# Altium PCB 全兼容主控.PCBDOC (part 1 of 9)
Units mil, origin at the board's own origin, x right, y up, seen from the top; angles counter-clockwise.
Board outline 7562.36 x 15046.55 mil, 2 copper layers (TopLayer, BottomLayer); 375 components, 257 nets, 1094 pads, 839 vias.
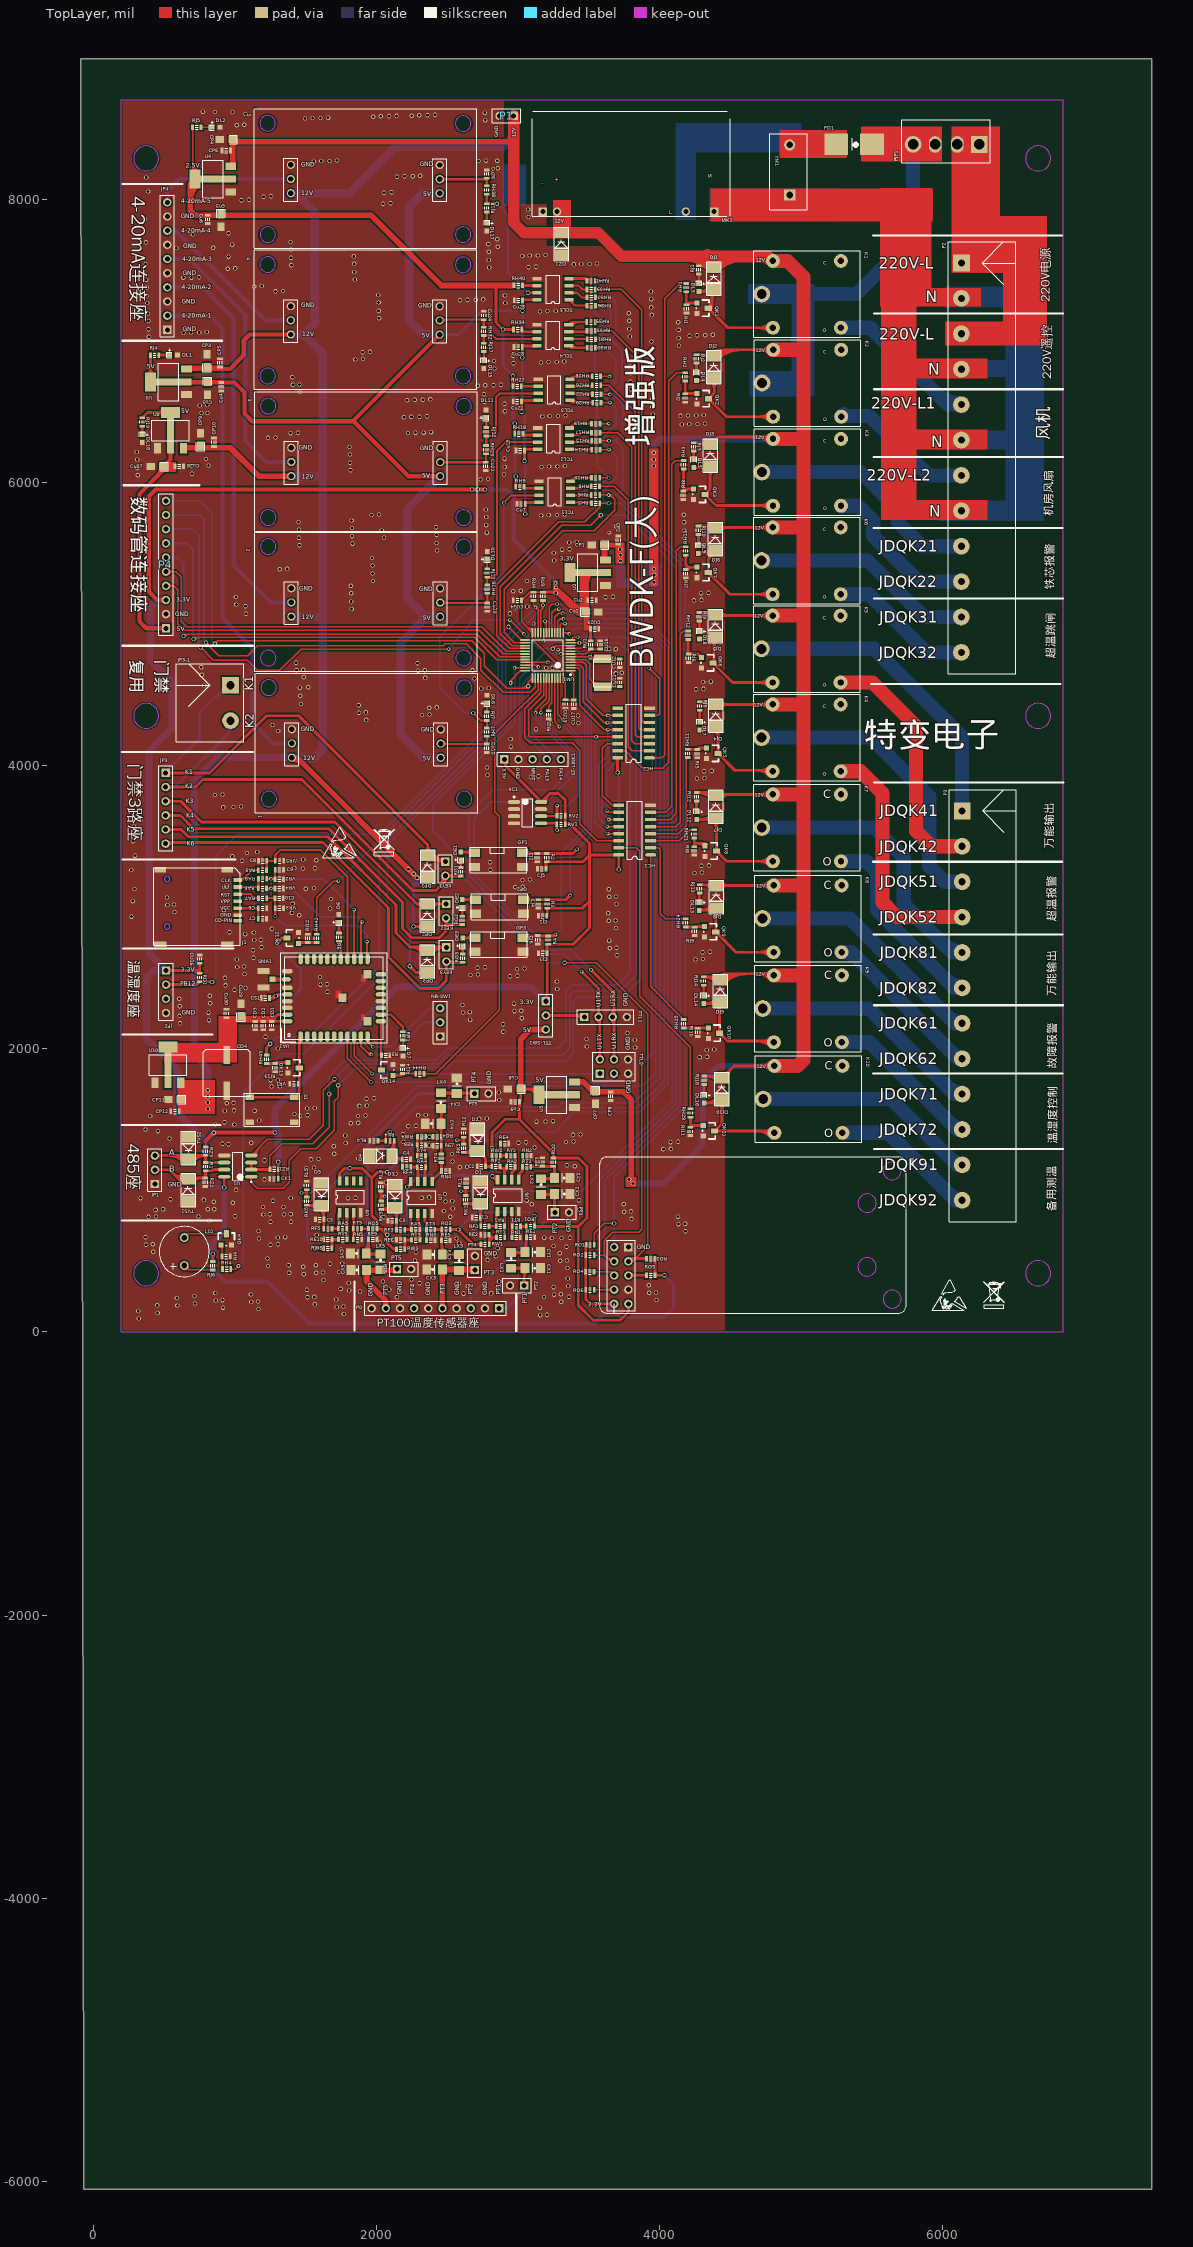
[diagram p0: TopLayer view]
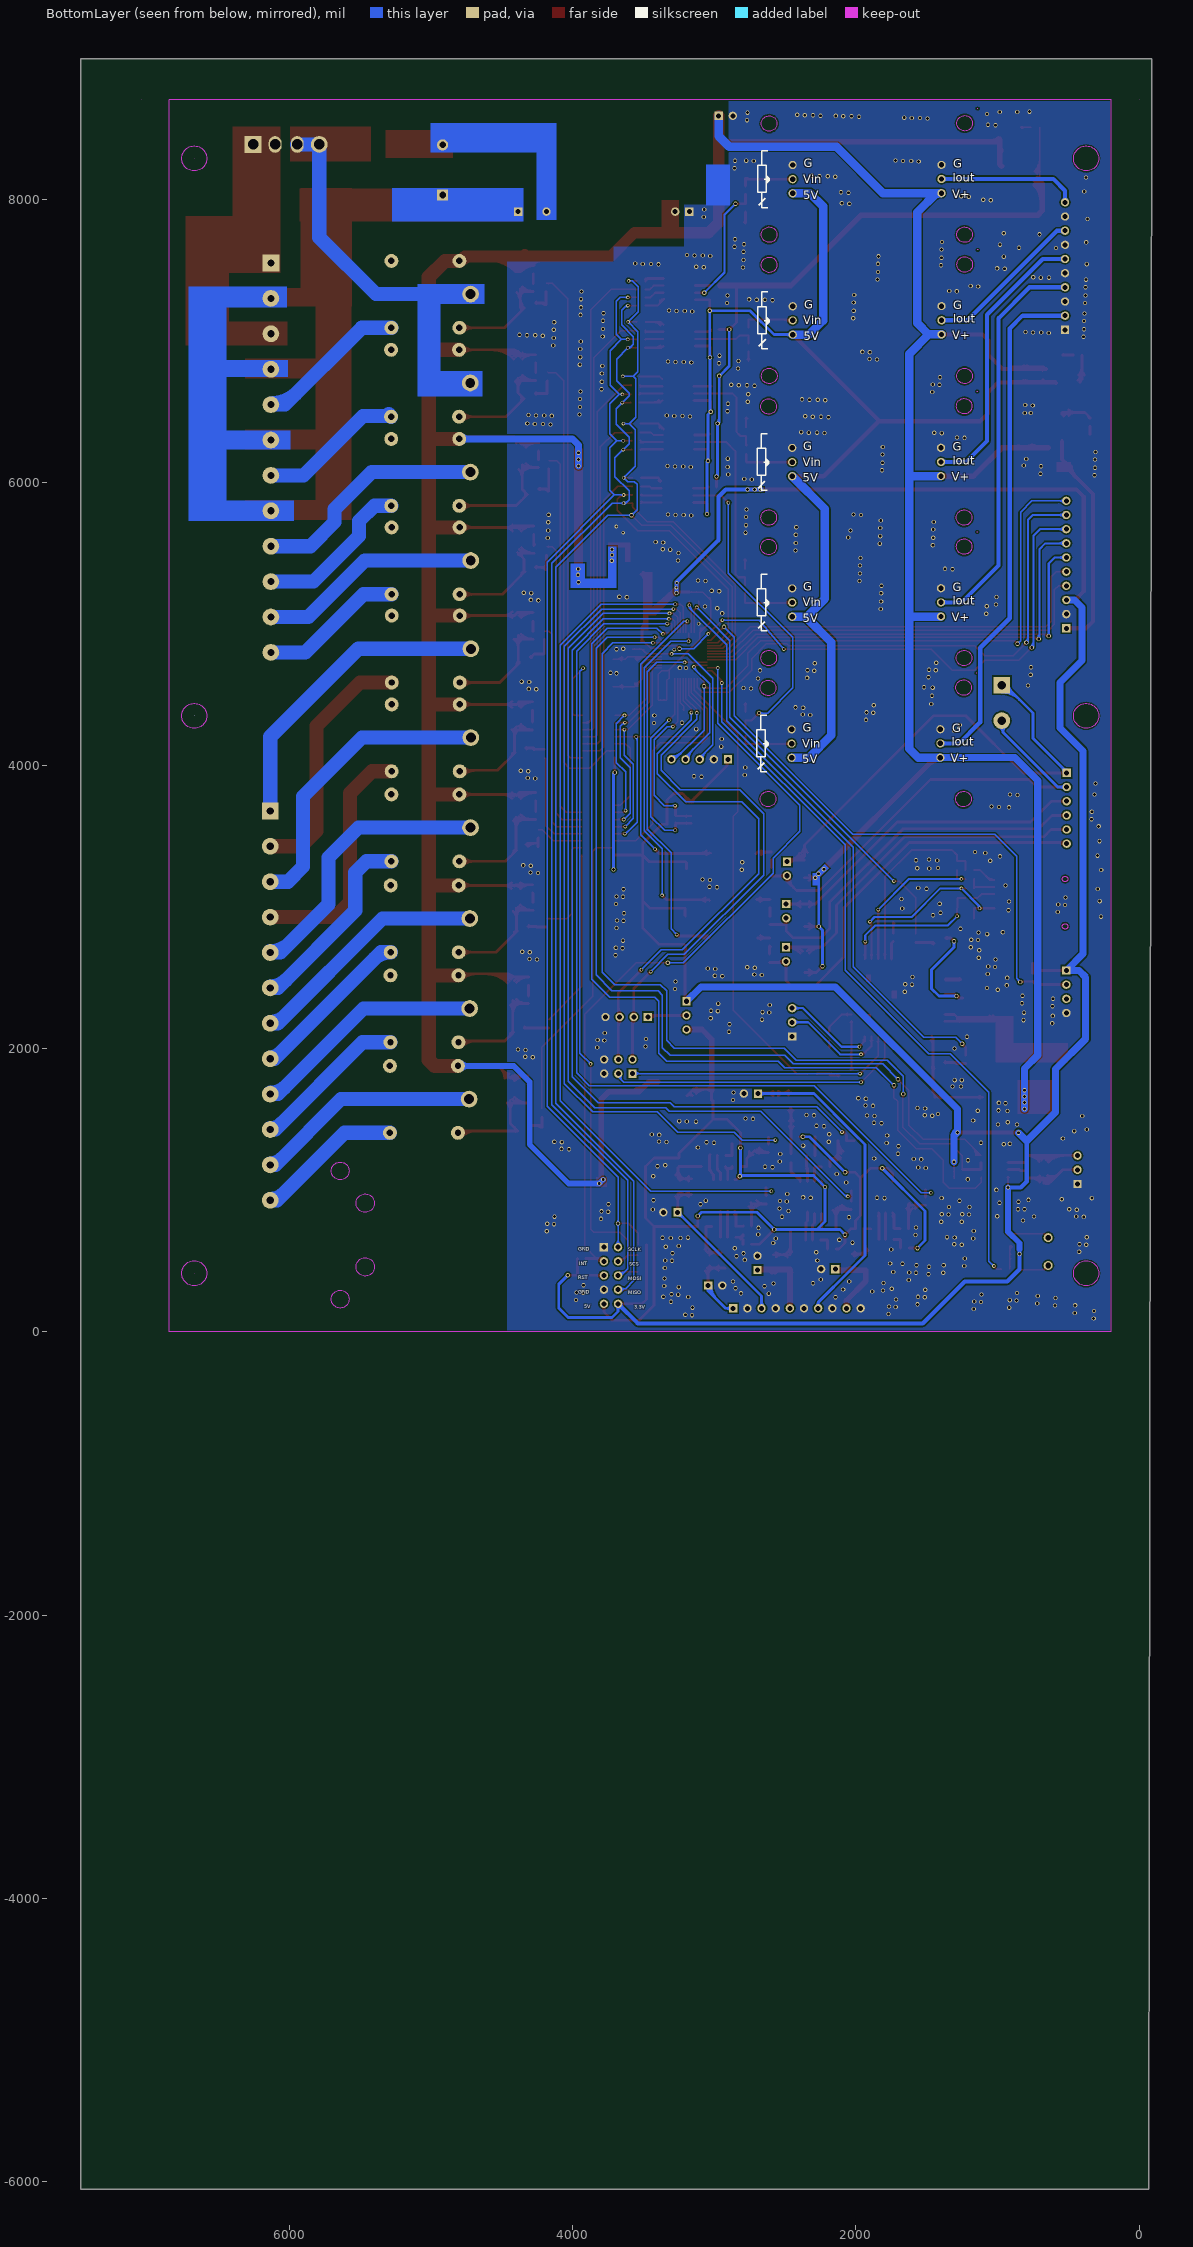
[diagram p1: BottomLayer view, seen from below]

## Layer stack, top to bottom
TopSolder: solder mask 0.4, Solder Resist, Dk 3.5
TopLayer: signal copper 1.4
Dielectric1: core 12.6, FR-4, Dk 4.8
BottomLayer: signal copper 1.4
BottomSolder: solder mask 0.4, Solder Resist, Dk 3.5

## Board outline
-87.78,8991.24 7474.58,8991.24 7474.58,-6055.31 -68.23,-6055.31

## Design rules (kind name [scope] priority, off if disabled: settings)
Clearance [All] p1: gap=6 ignorepadtopadclearanceinfootprint=FALSE except(0: Arc-Hole Track-Hole SMDPad-Hole THPad-Hole Via-Hole Fill-Hole Poly-Hole Region-Hole Text-Hole)
ComponentClearance [All] p1 off: gap=10 collisioncheckmode=3 verticalgap=10 showdistances=FALSE
FabricationTestPointUsage TestPointUsage [All] p1: valid=0 allowmultiple=FALSE
FabricationTestpoint Testpoint [(IsPad And (OnTopLayer Or OnBottomLayer))] p1: side=3 testpointundercomponent=TRUE minsize=40 maxsize=100 preferedsize=60 minholesize=20 maxholesize=40 preferedholesize=32 testpointgrid=1 allowsidetop=TRUE allowsidebottom=TRUE usegrid=TRUE gridtolerance=0.01
FanoutControl Fanout_LCC [All] p1 off: bgadir=Out bgaviamode=Centered fanoutstyle=Auto fanoutdirection=Alternating viagrid=1 // Protel DXP Scope 1 Expression Was: IsLCC   Fanout_LCC (Default Rule)
FanoutControl Fanout_BGA [All] p2 off: bgadir=Out bgaviamode=Centered fanoutstyle=Auto fanoutdirection=Alternating viagrid=1 // Protel DXP Scope 1 Expression Was: IsBGA   Fanout_BGA (Default Rule)
FanoutControl Fanout_SOIC [All] p3 off: bgadir=Out bgaviamode=Centered fanoutstyle=Auto fanoutdirection=Alternating viagrid=1 // Protel DXP Scope 1 Expression Was: IsSOIC   Fanout_SOIC (Default Rule)
FanoutControl Fanout_Default [All] p4: bgadir=Out bgaviamode=Centered fanoutstyle=Auto fanoutdirection=Alternating viagrid=1 // Fanout_Default (Default Rule)
FanoutControl Fanout_Small [All] p5 off: bgadir=Out bgaviamode=Centered fanoutstyle=Auto fanoutdirection=Alternating viagrid=1 // Protel DXP Scope 1 Expression Was: (CompPinCount < 5)   Fanout_Small (Default Rule)
PolygonConnect [All] p1: connectstyle=Direct reliefconductorwidth=10 reliefentries=4 polygonreliefangle="90 Angle" airgapwidth=10
RoutingVias [All] p1: holewidth=28 width=50 viastyle="Through Hole" minholewidth=28 minwidth=50 maxholewidth=28 maxwidth=50
SolderMaskExpansion [All] p1: expansion=4
Width [All] p1: maxlimit=1111 minlimit=1 preferedwidth=60 toplayer_prefwidth=10 minimp=50.000000 maximp=50.000000 favimp=50.000000
22 further rules are at their usual default settings.

## Components (designator, comment, footprint, x,y, rotation, side; value= is the part's Value field where it differs from the comment)
1 "模块" 0-5Vת4-20mA 1403.27,4255.86 r0 top
2 "模块" 0-5Vת4-20mA 1399.21,5251.88 r0 top
3 "模块" 0-5Vת4-20mA 1399.21,6243.82 r0 top
4 "模块" 0-5Vת4-20mA 1395.55,7244.3 r0 top
5 "模块" 0-5Vת4-20mA 1395.98,8241.93 r0 top
C1 "104" 0603-1 2706.05,807.62 r0 top
C2 "104" 0603-1 2741.3,1168.51 r0 top
C3 "104" 0603-1 2112.03,786.07 r0 top
C4 "104" 0603-1 2211.99,1219.35 r180 top
C5 "104" 0603-1 1599.71,793.87 r0 top
C6 "10pF" 0603-1 1195.36,2992.5 r0 top
C7 "0.1uF" 0603-1 1195.08,2918.7 r180 top
C8 "10pF" 0603-1 1196.34,3326.16 r180 top
C9 "10pF" 0603-1 1314.59,3263.04 r0 top
C10 "10pF" 0603-1 1313.46,3062.98 r0 top
CD1 "18PF" 0603-1 1261.02,2163.27 r90 top
CD2 "33PF" 0603-1 1202.27,2163 r90 top
CD3 "105" 0603-1 1143.21,2162.83 r90 top
CD4 "1000UF" 贴片电容-1000UF-10.4X10.4 943.98,1828.97 r270 top
CJ1 "104" 0603-1 3174.21,2937.45 r180 top
CJ2 "104" 0603-1 3135.94,3349.44 r90 top
CJ3 "104" 0603-1 3174.74,2674.93 r180 top
CJ4 "104" 0603-1 3142.45,3022.2 r90 top
CJ5 "104" 0603-1 3168.02,3270.17 r180 top
CJ6 "104" 0603-1 3140.55,2768.78 r90 top
CK1 "104" 0603-1 1277.08,1081.97 r0 top
CP1 "22UF" 0805 3609.78,5556.65 r180 top
CP2 "104" 0603-1 3709.3,5591.52 r270 top
CP3 "106" 0805 803.47,6814.12 r90 top
CP4 "106" 0805 984.57,8420.68 r180 top
CP5 "104" 0603-1 895.36,6843.6 r270 top
CP6 "104" 0603-1 940.05,8343.44 r0 top
CP7 "106" 0805 3547.96,1700.52 r270 top
CP8 "104" 0603-1 3654.39,1664.29 r90 top
CP9 "106" 0805 756.34,6257.24 r90 top
CP10 "104" 0603-1 853.16,6282.99 r270 top
CP11 "106" 0805 619.89,1641.46 r180 top
CP12 "104" 0603-1 577.51,1556.69 r0 top
CS1 "104" 0603-1 1215.65,2357.75 r180 top
Cu1 "106" 0805 3477.37,5084.16 r0 top
Cu2 "104" 0603-1 3522.65,5168.34 r180 top
Cu3 "106" 0805 806.8,6708.89 r270 top
Cu4 "104" 0603-1 904.19,6675.26 r90 top
Cu5 "106" 0805 901.93,7894.1 r270 top
Cu6 "104" 0603-1 809.24,7856.56 r90 top
Cu7 "104" 0603-1 3021.72,5849.29 r180 top
Cu8 "106" 0805 3019.37,1714.28 r180 top
Cu9 "104" 0603-1 2980.84,1625.12 r0 top
Cu10 "104" 0603-1 2779.25,4122 r270 top
CU11 "20pF" 0603-1 3717.29,4586.63 r90 top
CU12 "20pF" 0603-1 3718.06,4721.62 r270 top
CU13 "104" 0603-1 3335.43,4434.27 r270 top
CU14 "104" 0603-1 2996.07,5167.59 r180 top
Cu15 "104" 0603-1 3015.85,6224.9 r180 top
CU16 "104" 0603-1 752.36,2633.04 r90 top
CU17 "104" 0603-1 3394.85,4433.01 r270 top
CU18 "104" 0603-1 3580.09,4852.11 r90 top
Cu19 "104" 0603-1 2782.56,5118.82 r270 top
CU20 "104" 0603-1 3541.16,4964.32 r0 top
Cu21 "104" 0603-1 2995.83,6571.25 r180 top
Cu22 "104" 0603-1 2772.96,6112.4 r270 top
Cu23 "104" 0603-1 3000.87,6955.69 r180 top
Cu24 "104" 0603-1 2759.2,7178.34 r90 top
Cu25 "104" 0603-1 3002.44,7285.05 r180 top
Cu26 "104" 0603-1 2779.82,8177.08 r90 top
Cu27 "106" 0805 495.62,6111.95 r180 top
Cu28 "104" 0603-1 607.69,6113.37 r180 top
Cu29 "106" 0805 1043.9,2227.33 r90 top
Cu30 "104" 0603-1 941.18,2248.43 r270 top
CX1 "1uF" 1206 3104.68,450.28 r180 top
CX2 "1uF" 1206 3313.39,974.98 r180 top
CX3 "1uF" 1206 2410.73,439.79 r0 top
CX4 "1uF" 1206 2567.5,1738.1 r270 top
CX5 "1uF" 1206 1875.14,435.92 r0 top
CY1 "1uF" 1206 3105.33,562.93 r180 top
CY2 "1uF" 1206 3312.74,1087.33 r180 top
CY3 "1uF" 1206 2412.07,544.83 r0 top
CY4 "1uF" 1206 2400.31,1469.79 r0 top
CY5 "1uF" 1206 1873.5,553.31 r0 top
D1 "3.6V稳压管" DIODE 2785.12,867.83 r90 top
D2 "3.6V稳压管" DIODE 2766.39,1241 r90 top
D3 "3.6V稳压管" DIODE 2182.44,839.9 r90 top
D4 "3.6V稳压管" DIODE 2148.61,1294.46 r180 top
D5 "3.6V稳压管" DIODE 1663.35,853.69 r90 top
D6 "RED" "0603 - LED" 1734.72,2920.16 r90 top
D7 "RED" "0603 - LED" 2188.12,1974.13 r270 top
DE1 "RED" "0603 - LED" 2596.23,3361.74 r90 top
DE2 "RED" "0603 - LED" 2606.33,3025.63 r90 top
DE3 "RED" "0603 - LED" 2609.02,2754.52 r90 top
DJ1 "1N4007" DIODE 4333.95,7557.4 r270 top
DJ2 "1N4007" DIODE 4334.55,6931.76 r270 top
DJ3 "1N4007" DIODE 4309.83,6308.33 r270 top
DJ4 "1N4007" DIODE 4346.82,4470 r270 top
DJ5 "1N4007" DIODE 4345.29,5104.35 r270 top
DJ6 "1N4007" DIODE 4343.67,5716.29 r270 top
DJ7 "1N4007" DIODE 4346.9,3827.07 r270 top
DJ8 "1N4007" DIODE 4349.97,3190.44 r270 top
DJ9 "1N4007" DIODE 4378.6,2524.96 r270 top
DJ10 "1N4007" DIODE 4390.09,1832.98 r270 top
DL1 "RED" "0603 - LED" 567.83,6899.32 r0 top
DL2 "RED" "0603 - LED" 867.78,8506.56 r0 top
DL3 "RED" "0603 - LED" 4278.68,7375.3 r270 top
DL4 "RED" "0603 - LED" 4261.37,6745.88 r270 top
DL5 "RED" "0603 - LED" 4240.94,6131.44 r270 top
DL6 "RED" "0603 - LED" 2780.89,4469.11 r90 top
DL7 "RED" "0603 - LED" 4284.03,4278.22 r270 top
DL8 "RED" "0603 - LED" 4281.39,4918.96 r270 top
DL9 "RED" "0603 - LED" 4274.32,5525.67 r270 top
DL10 "RED" "0603 - LED" 2782.4,5485.53 r90 top
DL11 "RED" "0603 - LED" 2774.28,6485.26 r90 top
DL12 "RED" "0603 - LED" 4261.72,3646.29 r270 top
DL13 "RED" "0603 - LED" 4280.56,3004.43 r270 top
DL14 "RED" "0603 - LED" 4311.57,2345.06 r270 top
DL15 "RED" "0603 - LED" 2758.76,6830.78 r270 top
DL16 "RED" "0603 - LED" 4314.65,1642.91 r270 top
DL17 "RED" "0603 - LED" 2781.77,7802.73 r270 top
DL18 "RED" "0603 - LED" 345.91,6308.72 r270 top
DP1 "M7" DIODE 2312.02,3403.75 r270 top
DP2 "M7" DIODE 2311,3060.16 r270 top
DP3 "M7" DIODE 2310.53,2734.3 r270 top
DZ1 "13V" DIODE 3257.52,7802.77 r270 top
FD1 "保险丝 20A" 1808 5499.96,8388.38 r180 top
GP1 "guangou*1" "PC817 SMD-4P" 2692.6,3383.36 r0 top
GP2 "guangou*1" "PC817 SMD-4P" 2700.6,3052.36 r0 top
GP3 "guangou*1" "PC817 SMD-4P" 2696.74,2784.4 r0 top
HC1 "74HC595" SOP-16 3936.74,3368.53 r180 top
HC2 "74HC595" SOP-16 3928.94,4053.48 r180 top
IIC1 "24c64" SOP-8P 2972.38,3742.13 r0 top
J1 "MICRO SIM" "Nano-SIM卡 自弹式" 1009.42,2904.19 r0 top
JP1 "Header 3" HDR1X3 434.99,1044.68 r90 top
JP2 "Header 4" HDR1X4 513.62,2552.2 r270 top
JP3 "Header 6" HDR1X6 511.3,3947.62 r270 top
JP3-1 "6.35-2P" 6.35-2P 969.86,4567.09 r270 top
JP4 "Header 10" HDR1X10 523.13,7077.22 r90 top
K1 "G5LA-14-DC5V" "继电器 松乐SRD-12VDC-SL-C" 4721.8,7329.63 r0 top
K2 "G5LA-14-DC5V" "继电器 松乐SRD-12VDC-SL-C" 4723.66,6701.62 r0 top
K3 "G5LA-14-DC5V" "继电器 松乐SRD-12VDC-SL-C" 4722.75,6072.18 r0 top
K4 "G5LA-14-DC5V" "继电器 松乐SRD-12VDC-SL-C" 4719.78,4197.08 r0 top
K5 "G5LA-14-DC5V" "继电器 松乐SRD-12VDC-SL-C" 4719.39,4824.1 r0 top
K6 "G5LA-14-DC5V" "继电器 松乐SRD-12VDC-SL-C" 4720.39,5447.51 r0 top
K7 "G5LA-14-DC5V" "继电器 松乐SRD-12VDC-SL-C" 4721.87,3561.31 r0 top
K8 "G5LA-14-DC5V" "继电器 松乐SRD-12VDC-SL-C" 4726.79,2919.19 r0 top
K9 "G5LA-14-DC5V" "继电器 松乐SRD-12VDC-SL-C" 4728.43,2283.65 r0 top
K10 "G5LA-14-DC5V" "继电器 松乐SRD-12VDC-SL-C" 4732.12,1643.8 r0 top
KEY1 "2.54-2P" HDR1X2 2486.68,3321.23 r270 top
KEY2 "2.54-2P" HDR1X2 2492.23,3021.54 r270 top
KEY3 "2.54-2P" HDR1X2 2493.87,2715.72 r270 top
LS1 "BEEP9055" BEEP9055 642.46,468.56 r180 top
LX1 "磁珠 0欧姆" 1206 2951.7,504.06 r270 top
LX2 "磁珠 0欧姆" 1206 3161.84,1026.17 r270 top
LX3 "磁珠 0欧姆" 1206 2582.9,489.85 r270 top
LX4 "磁珠 0欧姆" 1206 2456.26,1633.34 r90 top
LX5 "磁珠 0欧姆" 1206 2028.24,493.74 r270 top
MK1 "220V转12V" "220Vת5V 2A" 4185.63,7911.88 r0 top
NB-SW1 "Header 3" HDR1X3 2450.73,2086.25 r90 top
P0 "Header 10" HDR1X10 2866.5,166.22 r180 top
P1 "" HDR1X2 2969.19,8588.31 r180 top
P2 "6.35-12P" 6.35-12P 6131.71,7548.71 r270 top
P3 "6.35-12P" 6.35-12P 6136.85,3679.14 r270 top
P4 "Header 10" HDR1X10 513.73,4969.12 r90 top
PJP1 "3.96-4P" 3.96-4P 6257.97,8386.4 r180 top
PT2 "2.54-1*2" HDR1X2 3043.84,327.62 r180 top
PT3 "2.54-1*2" HDR1X2 3260.21,844.03 r0 top
PT4 "2.54-1*2" HDR1X2 2695.52,436.93 r90 top
PT5 "2.54-1*2" HDR1X2 2691.28,1682.68 r0 top
PT6 "2.54-1*2" HDR1X2 2145.81,443.24 r0 top
QK1 "NPN-S8050" NPN-SOT3 4263.76,7267.48 r270 top
QK2 "NPN-S8050" NPN-SOT3 4265.35,6628.22 r270 top
QK3 "NPN-S8050" NPN-SOT3 4239.79,5952.87 r270 top
QK4 "NPN-S8050" NPN-SOT3 903.06,612.64 r0 top
QK5 "NPN-S8050" NPN-SOT3 4331.79,4122.97 r270 top
QK6 "NPN-S8050" NPN-SOT3 4297.38,4762.17 r270 top
QK7 "NPN-S8050" NPN-SOT3 4264,5400.66 r270 top
QK8 "NPN-S8050" NPN-SOT3 4321.79,3433.32 r270 top
QK9 "NPN-S8050" NPN-SOT3 4316.64,2863.28 r270 top
QK10 "NPN-S8050" NPN-SOT3 4344.24,2147.06 r270 top
QK11 "NPN-S8050" NPN-SOT3 4308.26,1457.57 r270 top
QK12 "NPN" NPN-SOT3 1448.44,2744.19 r90 top
QK13 "NPN" NPN-SOT3 1375.18,1902.75 r270 top
QK14 "NPN" NPN-SOT3 2116.67,1811.81 r90 top
R1 "120" 0603-1 794.01,1167.38 r90 top
R2 "10K" 0603-1 3204.51,3349.43 r270 top
R3 "10K" 0603-1 3206.99,3021.77 r270 top
R4 "10K" 0603-1 3213.59,2767.02 r270 top
R5 "10K/NC" 0603-1 2064.92,1953.4 r180 top
R6 "10K" 0603-1 1735.85,2787.93 r270 top
RA1 "10K" 0603-1 2875.69,745.46 r0 top
RA2 "10K" 0603-1 2949.73,1168.04 r0 top
RA3 "10K" 0603-1 2277.3,722.24 r0 top
RA4 "10K" 0603-1 2318.76,1163.25 r0 top
RA5 "10K" 0603-1 1760.74,729.17 r0 top
RA6 "10K" 0603-1 1195.24,3132.09 r0 top
RA7 "22R" 0603-1 1195.98,3062.88 r180 top
RA8 "22R" 0603-1 1195.97,3198.89 r180 top
RA9 "22R" 0603-1 1195.3,3261.28 r0 top
RD1 "10K" 0603-1 752.28,2502.9 r270 top
RE1 "1K" 0603-1 3088.72,669.22 r180 top
RE2 "80" 0603-1 2766.47,686.29 r0 top
RE3 "1K" 0603-1 3170.26,1199.94 r270 top
RE4 "80" 0603-1 2905.37,1330.09 r180 top
RE5 "1K" 0603-1 2490.17,648.33 r180 top
RE6 "80" 0603-1 2171.41,649.18 r0 top
RE7 "1K" 0603-1 2428.94,1315.42 r0 top
RE8 "80" 0603-1 2318.08,1318.91 r180 top
RE9 "1K" 0603-1 1974.26,653.33 r180 top
RE10 "80" 0603-1 1656.34,653.27 r0 top
RF1 "1K" 0603-1 2766.41,746.56 r180 top
RF2 "1K" 0603-1 2843.58,1168.97 r180 top
RF3 "1K" 0603-1 2170.71,722.54 r180 top
RF4 "1K" 0603-1 2213.6,1164.43 r180 top
RF5 "1K" 0603-1 1657.94,728.65 r180 top
RG1 "10K" 0603-1 2596.26,3249.91 r90 top
RG2 "10K" 0603-1 2606.44,2905.97 r90 top
RG3 "10K" 0603-1 2610.01,2639.27 r90 top
RH1 "1K" 0603-1 4188.69,7375.43 r90 top
RH2 "1K" 0603-1 4179.9,6744.62 r90 top
RH3 "1K" 0603-1 4169.63,6123.62 r90 top
RH4 "1K" 0603-1 942.04,443.78 r0 top
RH5 "1K" 0603-1 3548.26,5852.25 r180 top
RH6 "1K" 0603-1 3547.49,5910.44 r180 top
RH7 "1K" 0603-1 2779.93,4235.95 r90 top
RH8 "1K" 0603-1 3546.82,5971.55 r180 top
RH9 "1K" 0603-1 3013.41,5967.47 r0 top
RH10 "1K" 0603-1 3547.95,6032.48 r180 top
RH11 "1K" 0603-1 4199.71,4085.27 r270 top
RH12 "1K" 0603-1 4201.77,4920.06 r90 top
RH13 "1K" 0603-1 4184.91,5514.99 r90 top
RH14 "1K" 0603-1 3550.67,6230.8 r180 top
RH15 "1K" 0603-1 3549.89,6293.89 r180 top
RH16 "1K" 0603-1 2782.59,5245.71 r90 top
RH17 "1K" 0603-1 3549.4,6350.92 r180 top
RH18 "1K" 0603-1 3006.24,6341.88 r0 top
RH19 "1K" 0603-1 3549,6414.44 r180 top
RH20 "1K" 0603-1 3557.43,6562.92 r180 top
RH21 "1K" 0603-1 4243.99,3516.44 r90 top
RH22 "1K" 0603-1 3556.25,6621.43 r180 top
RH23 "1K" 0603-1 2774.32,6230.75 r90 top
RH24 "1K" 0603-1 4183.92,2888.73 r90 top
RH25 "1K" 0603-1 4170.74,2175.64 r90 top
RH26 "1K" 0603-1 3554.45,6685.85 r180 top
RH27 "1K" 0603-1 2994.25,6678.42 r0 top
RH28 "1K" 0603-1 3554.14,6748.4 r180 top
RH29 "1K" 0603-1 4218.27,1545.71 r90 top
RH30 "1K" 0603-1 3518.34,6950.14 r180 top
RH31 "1K" 0603-1 3518.1,7009.73 r180 top
RH32 "1K" 0603-1 2758.06,7065.81 r270 top
RH33 "1K" 0603-1 3516.89,7071.22 r180 top
RH34 "1K" 0603-1 2997.39,7079.4 r0 top
RH35 "1K" 0603-1 3515.84,7132.44 r180 top